# Altium PCB 001-H-01 CAN to Bluetooth.PcbDoc
Units mm, origin at the board's own origin, x right, y up, seen from the top; angles counter-clockwise.
Board outline 43 x 81 mm, 2 copper layers (Top Layer, Bottom Layer); 67 components, 54 nets, 257 pads, 202 vias.
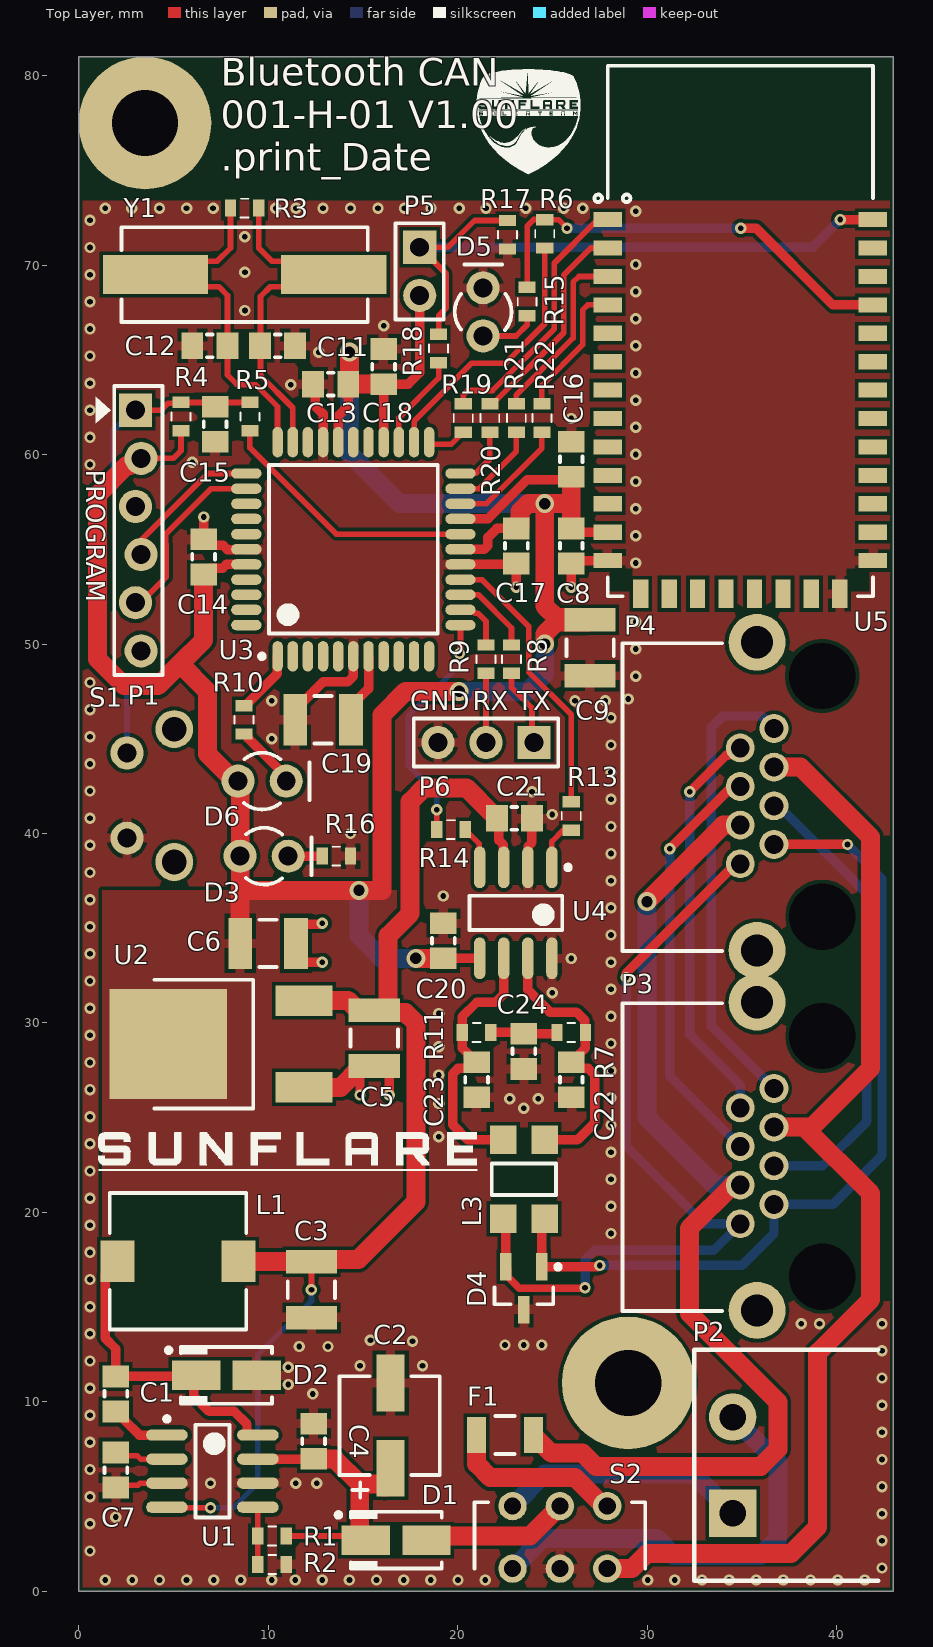
[diagram p0: Top Layer view]
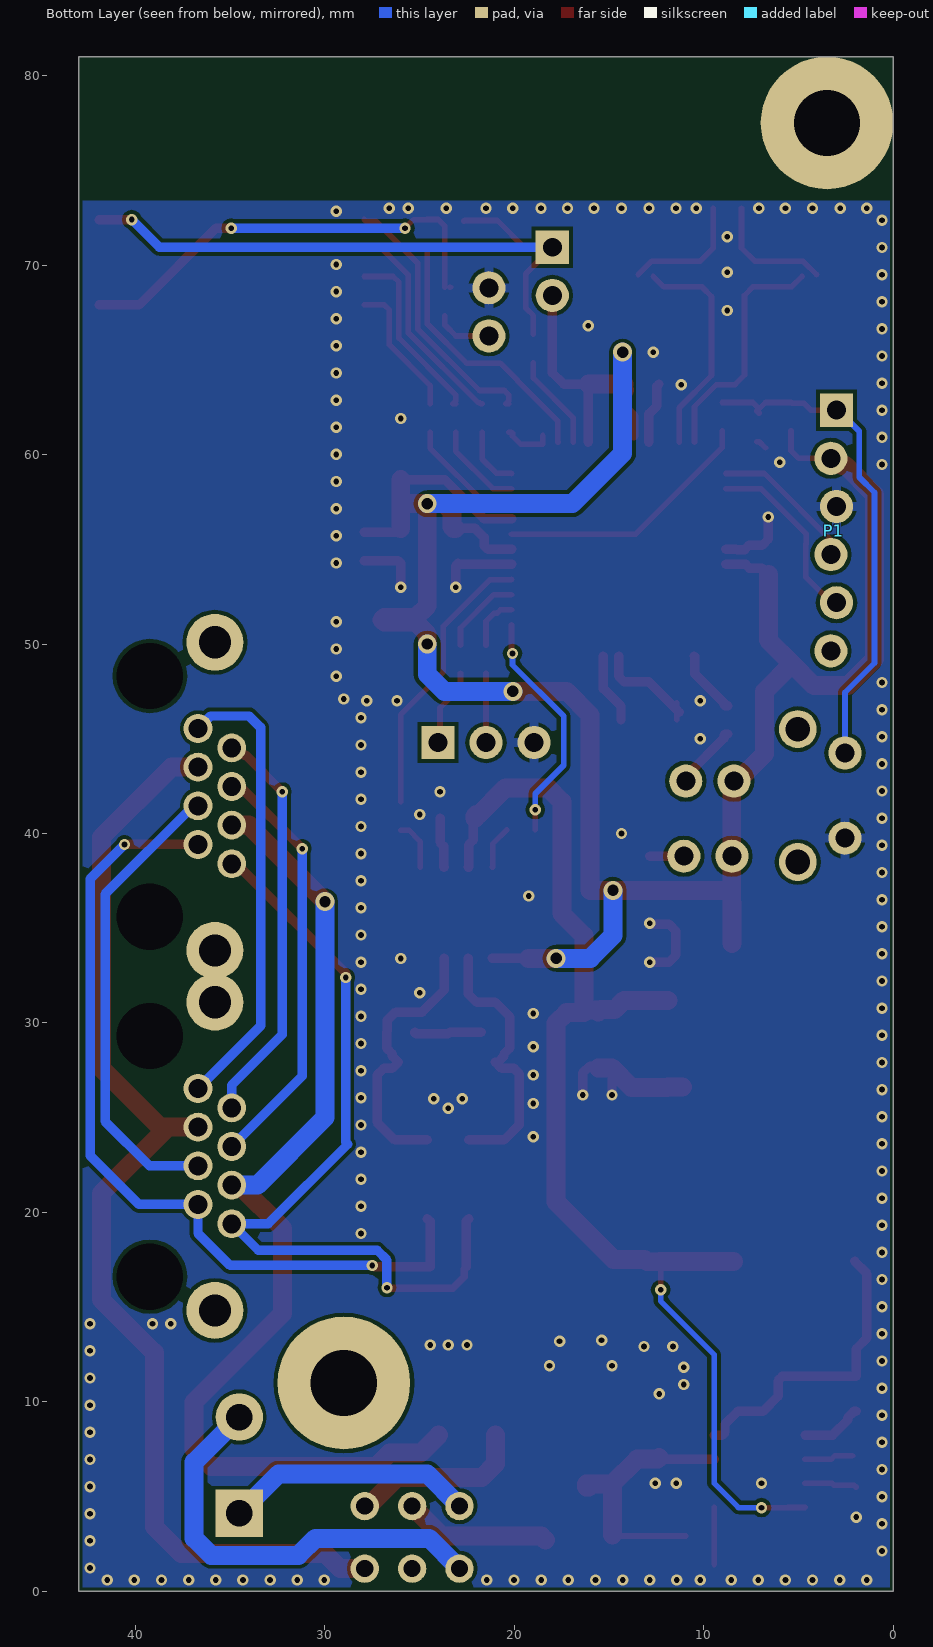
[diagram p1: Bottom Layer view, seen from below]
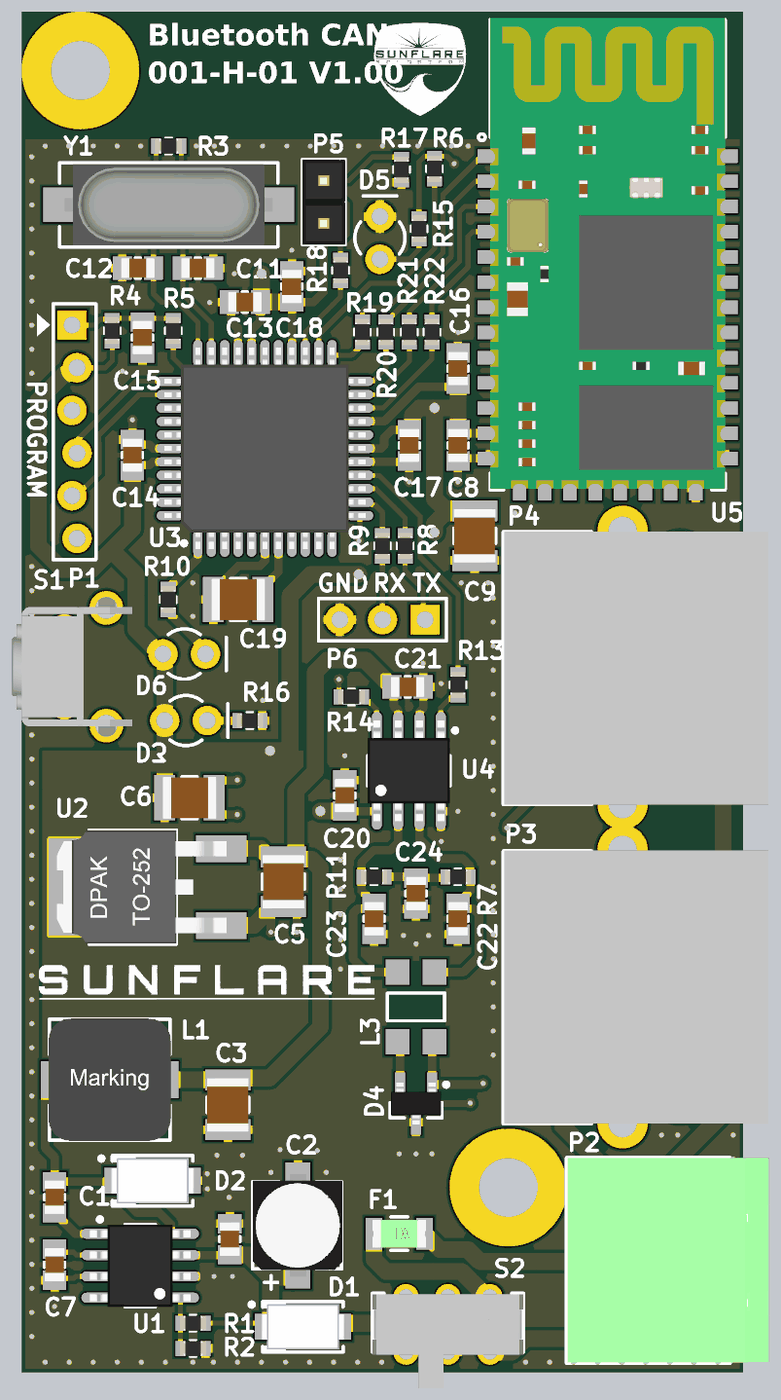
[diagram p2: 3D render of the assembled board from above, using the file's embedded part models]

## Layer stack, top to bottom
Top Solder: solder mask 0.0102, Solder Resist, Dk 3.5
Top Layer: signal copper 0.0356
Dielectric 1: dielectric 0.32, FR-4, Dk 4.8
Bottom Layer: signal copper 0.0356
Bottom Solder: solder mask 0.0102, Solder Resist, Dk 3.5

## Board outline
0,0 0,81 43,81 43,0

## Design rules (kind name [scope] priority, off if disabled: settings)
BoardOutlineClearance [All] p1: gap=0.2 ignorepadtopadclearanceinfootprint=FALSE except(0: Arc-SplitContinuation Track-SplitContinuation SMDPad-SplitContinuation THPad-SplitContinuation Via-SplitContinuation Fill-SplitContinuation Poly-SplitContinuation Region-SplitContinuation Text-SplitContinuation)
Clearance [All] p1: gap=0.2 ignorepadtopadclearanceinfootprint=FALSE except(0: Arc-Hole Track-Hole SMDPad-Hole THPad-Hole Via-Hole Fill-Hole Poly-Hole Region-Hole Text-Hole)
HoleSize [All] p1: absolutevalues=TRUE maxlimit=6 minlimit=0.3 maxpercent=80.000 minpercent=20.000
HoleToHoleClearance [All] p1: gap=0.3 allowstackedmicrovias=TRUE
MinimumSolderMaskSliver [All] p1: minsoldermaskwidth=0
PolygonConnect PolygonConnectHeatsink [HasFootprint('DPAK-3') vs InNet('3.3V')] p1: connectstyle=Direct reliefconductorwidth=0.254 reliefentries=4 polygonreliefangle="90 Angle" airgapwidth=0.254
PolygonConnect PolygonConnect_Via [IsVia] p2: connectstyle=Direct reliefconductorwidth=0.254 reliefentries=4 polygonreliefangle="90 Angle" airgapwidth=0.254
PolygonConnect [All] p3: connectstyle=Relief reliefconductorwidth=0.5 reliefentries=4 polygonreliefangle="90 Angle" airgapwidth=0.2
RoutingVias [All] p1: holewidth=1 width=1 viastyle="Through Hole" minholewidth=0 minwidth=0 maxholewidth=10 maxwidth=10
SilkToSilkClearance [All] p1: silktosilkclearance=0.2
SilkToSolderMaskClearance [IsPad] p1: minsilkscreentomaskgap=0.1 clearancetoexposedcopper=TRUE
SolderMaskExpansion [All] p1: expansion=0.102 istentingtop=FALSE
Width [All] p1: maxlimit=5 minlimit=0.1 preferedwidth=0.3 minimp=50.000000 maximp=50.000000 favimp=50.000000
25 further rules are at their usual default settings.

## Components (designator, comment, footprint, x,y, rotation, side; value= is the part's Value field where it differs from the comment)
C1 "100nF" CAP0805 1.96,10.42 r270 top
C2 "4.7uF" CAPPOL5MM 16.46,8.748 r90 top
C3 "10uF" CAP1210 12.285,15.92 r90 top
C4 "100nF" CAP0805 12.4,7.925 r270 top
C5 "10uF" CAP1210 15.6,29.2 r90 top
C6 "10uF" CAP1210 10,34.2 r180 top
C7 "100nF" CAP0805 1.96,6.4 r90 top
C8 "100nF" CAP0805 26,55.178 r90 top
C9 "10uF" CAP1210 26.995,49.8 r90 top
C11 "33pF" CAP0805 10.5,65.735 r180 top
C12 "33pF" CAP0805 6.925,65.735 r0 top
C13 "100nF" CAP0805 13.3,63.715 r0 top
C14 "100nF" CAP0805 6.6,54.6 r270 top
C15 "100nF" CAP0805 7.2,61.6 r270 top
C16 "100nF" CAP0805 26,59.755 r270 top
C17 "100nF" CAP0805 23.1,55.178 r90 top
C18 "100nF" CAP0805 16.1,64.64 r270 top
C19 "10uF" CAP1210 12.9,46 r0 top
C20 "100nF" CAP0805 19.25,34.335 r270 top
C21 "100nF" CAP0805 23,40.8 r180 top
C22 "47pF" CAP0805 26,27 r90 top
C23 "47pF" CAP0805 21,27 r270 top
C24 "100nF" CAP0805 23.5,28.5 r90 top
D1 "SMA2" DIODEDO-214AC 16.76,2.706 r0 top
D2 "HTA5U100" DIODEDO-214AC 7.8,11.4 r0 top
D3 "Green" LEDTHT 9.686,42.761 r0 top
D4 "PESD1CAN" SOT23-3N 23.5,16 r270 top
D5 "RED" LEDTHT 21.35,67.531 r90 top
D6 "Green" LEDTHT 9.79,38.8 r0 top
F1 "250mA PTC" "Fuse 1206" 22.5,8.25 r180 top
L1 "220uH" INDWE-PD 5.245,17.42 r0 top
L3 "51uH" IND200P450X300-4N 23.5,21.75 r270 top
P1 "Header 1X6" Header1X6P100_Program 3.15,55.99 r270 bottom
P2 "Header 2 way" "MSTBA 2,5/ 2-G-5,08" 34.52,4.12 r90 top
P3 "Header 1X8 G" TECO-1-406541-5 44.498,22.933 r90 top
P4 "Header 1X8 G" TECO-1-406541-5 44.498,41.933 r90 top
P5 "Header 1X2" Header1X2P100 18,70.94 r270 top
P6 "Header 1X3" Header1X3P100 24.04,44.8 r180 top
R1 "100K" RES0603 10.21,2.92 r180 top
R2 "39K" RES0603 10.21,1.42 r0 top
R3 "1M0" RES0603 8.762,73 r180 top
R4 "10K" RES0603 5.4,62 r90 top
R5 "470R" RES0603 9.035,62 r90 top
R6 "470R" RES0603 24.6,71.65 r270 top
R7 "15K" RES0603 26,29.5 r180 top
R8 "470R" RES0603 22.85,49.2 r270 top
R9 "470R" RES0603 21.5,49.2 r270 top
R10 "330R" RES0603 8.735,46 r270 top
R11 "15K" RES0603 21,29.5 r180 top
R13 "470R" RES0603 26,40.925 r270 top
R14 "470R" RES0603 19.65,40.2 r0 top
R15 "2K" RES0603 23.675,68.075 r270 top
R16 "330R" RES0603 13.6,38.8 r180 top
R17 "10K" RES0603 22.639,71.6 r90 top
R18 "470R" RES0603 19,65.6 r270 top
R19 "470R" RES0603 20.3,61.925 r90 top
R20 "470R" RES0603 21.7,61.925 r90 top
R21 "470R" RES0603 23.1,61.925 r90 top
R22 "470R" RES0603 24.45,61.925 r90 top
S1 "Switch" SWITCHTE1825027-2 3.8,42 r270 top
S2 "Switch" JS202011AQN 25.4,2.85 r0 top
U1 "MAX5035B" SOIC-8N 7.06,6.345 r0 top
U2 "NCP1117DT33G" DPAK-3 8.31,28.885 r0 top
U3 "DSPIC33EP128GS804" TQFP80P1200X1200X120-44N 14.5,55 r90 top locked
U4 "MCP2562" SOIC-8N 23.073,35.81 r270 top
U5 "HC-05" HC-05 34.92,62.525 r0 top locked
Y1 "16MHz" XT49M-2016M 8.762,69.5 r180 top

## Footprints (in the part's own frame and the unit in brackets; to place one, negate y for a bottom-side part, rotate by r counter-clockwise, add the part's x,y. Pads: shape width x height; smd on the part's side, far side on the other; paste and mask are expansions set on the pad)
CAP0805 [mm] "Chip Capacitor, 2-Leads, Body 2.0x1.3mm, IPC Medium Density"
  rect 1.15x1.4 smd: 1(-0.925,0) 2(0.925,0)
  silkscreen extent -0.15,-0.6 0.15,0.6, body extent -1.1,-0.67 1.1,0.67, height 0.95
CAP1210 [mm] "Chip Capacitor, 2-Leads, Body 3.2x2.5mm, IPC Medium Density"
  rect 1.25x2.7 smd: 1(-1.475,0) 2(1.475,0)
  silkscreen extent -0.45,-1.25 0.45,1.25, body extent -1.7,-1.35 1.7,1.35, height 1.3
CAPPOL5MM [mm] "Capacitor SMD, 2-Leads, Body 5x5_4mm, IPC Medium Densit"
  rect 3x1.5 smd: 1(-2.25,0) 2(2.25,0)
  silkscreen extent -3.8,-2.6 2.6,2.7, body extent -3.06,-2.66 3.04,2.68, height 5.52
DIODEDO-214AC [mm] "Molded Diode, 2-Leads, Body 4.4x2.7mm, IPC Medium Density"
  rect 2.55x1.55 smd: 1(-1.6,0) 2(1.6,0)
  silkscreen extent -3.17,-1.5 2.4,1.5, body extent -2.5,-1.48 2.5,1.48, height 2.4
DPAK-3 [mm]
  rect 3x1.6 smd: 1(3.59,-2.285) 3(3.59,2.285)
  rect 6.2x5.8 smd: 2(-3.59,0)
  silkscreen extent -4.3,-3.4 0.9,3.4, body extent -6.2,-3.37 3.9,3.37, height 2.37
"Fuse 1206" [mm] "Fuse 1206"
  rect 1x1.9 smd: 1(-1.5,0) 2(1.5,0)
  silkscreen extent -0.5,-1 0.5,1, body extent -1.6,-0.83 1.6,0.83, height 0.56
HC-05 [mm] "Bluetooth module HC-05"
  rect 1.5x0.8 smd: 1(-7,9.875) 2(-7,8.375) 3(-7,6.875) 4(-7,5.375) 5(-7,3.875) 6(-7,2.375) 7(-7,0.875) 8(-7,-0.625) 9(-7,-2.125) 10(-7,-3.625) 11(-7,-5.125) 12(-7,-6.625) 13(-7,-8.125) 22(7,-8.125) 23(7,-6.625) 24(7,-5.125) 25(7,-3.625) 26(7,-2.125) 27(7,-0.625) 28(7,0.875) 29(7,2.375) 30(7,3.875) 31(7,5.375) 32(7,6.875) 33(7,8.375) 34(7,9.875)
  rect 0.8x1.5 smd: 14(-5.25,-9.875) 15(-3.75,-9.875) 16(-2.25,-9.875) 17(-0.75,-9.875) 18(0.75,-9.875) 19(2.25,-9.875) 20(3.75,-9.875) 21(5.25,-9.875)
  silkscreen extent -7.7,-10 7,18, body extent -7.01,-9.93 7.01,18.08, height 2.35
Header1X2P100 [mm] "Header 1X2, 100mil pitch"
  rect 1.75x1.75 hole 1: 1(0,0)
  round 1.75 hole 1: 2(2.54,0)
  silkscreen extent -1.27,-1.27 3.82,1.27, body extent -1.26,-1.27 3.82,1.27, height 8.45
Header1X3P100 [mm] "Header 1X3, 100mil pitch"
  rect 1.75x1.75 hole 1: 1(0,0)
  round 1.75 hole 1: 2(2.54,0) 3(5.08,0)
  silkscreen extent -1.27,-1.27 6.35,1.27, body extent -1.27,-1.27 6.35,1.27, height 9
Header1X6P100_Program [mm] "Header 1X6, 100mil pitch"
  rect 1.75x1.75 hole 1: 1(-6.35,0.15)
  round 1.75 hole 1: 2(-3.81,-0.15) 3(-1.27,0.15) 4(1.27,-0.15) 5(3.81,0.15) 6(6.35,-0.15)
IND200P450X300-4N [mm] "IND, 4-Leads, Body 3.4x4.7mm (max), Pitch 2.00mm, IPC Medium Density"
  rect 1.5x1.4 smd: 1(-2.075,1.1) 2(2.075,1.1) 3(2.075,-1.1) 4(-2.075,-1.1)
  silkscreen extent -0.82,-1.7 0.82,1.7, body extent -2.35,-1.7 2.35,1.7, height 3
INDWE-PD [mm] "Inductor, 2-Leads, Body 7.3x7.3mm, IPC Medium Density"
  rect 1.8x2.2 smd: 1(-3.2,0) 2(3.2,0)
  silkscreen extent -3.6,-3.6 3.6,3.6, body extent -3.65,-3.65 3.65,3.65, height 4.5
JS202011AQN [mm]
  round 1.5 hole 0.9: 1(-2.5,1.65) 2(0,1.65) 3(2.5,1.65) 4(-2.5,-1.65) 5(0,-1.65) 6(2.5,-1.65)
  silkscreen extent -4.5,-1.65 4.5,1.85, body extent -4.5,-3.8 4.5,1.8, height 3.52
LEDTHT [mm] "LED through hole 3mm"
  round 1.75 hole 1: 1(1.27,0) 2(-1.27,0)
  silkscreen extent -0.96,-1.5 2.5,1.5
"MSTBA 2,5/ 2-G-5,08" [mm] "MSTBA 2,5/ 2-G-5,08 1757242"
  rect 2.5x2.5 hole 1.4: 1(0,0)
  round 2.5 hole 1.4: 2(5.08,0)
  silkscreen extent -3.56,-7.68 8.64,2.03, body extent -3.54,-10 8.62,2, height 8.6
RES0603 [mm] "Chip Resistor, 2-Leads"
  rect 0.6x0.9 smd: 1(-0.75,0) 2(0.75,0)
  silkscreen extent -0.2,-0.5 0.21,0.5, body extent -0.77,-0.43 0.78,0.43, height 0.45
SOIC-8N [mm] "SOIC, 8-Leads, Body 4.9x3.9mm (max), Pitch 1.27mm, IPC Medium Density"
  oval 2.2x0.6 smd: 1(-2.4,1.905) 2(-2.4,0.635) 3(-2.4,-0.635) 4(-2.4,-1.905) 5(2.4,-1.905) 6(2.4,-0.635) 7(2.4,0.635) 8(2.4,1.905)
  silkscreen extent -2.52,-2.45 0.9,2.88, body extent -3,-2.45 3,2.45, height 1.75
SOT23-3N [mm] "SOT23, 3-Leads, Body 3.1x3.0mm (max), Pitch 0.95mm, IPC Medium Density"
  rect 1.45x0.6 smd: 1(-1.125,0.95) 2(-1.125,-0.95) 3(1.125,0)
  silkscreen extent -1.25,-1.55 0.85,1.93, body extent -1.25,-1.55 1.25,1.55, height 1.45
SWITCHTE1825027-2 [mm] "SWITCH, 2-Leads, Body 7.0x7.0mm (max), Pitch 4.5mm, IPC Medium Density"
  round 1.75 hole 1: 1(-2.25,-1.245) 2(2.25,-1.245)
  round 2 hole 1.3: ""(-3.505,1.245) ""(3.505,1.245)
  body extent -4.2,-4.36 4.2,2.79, height 7
TECO-1-406541-5 [mil] "MODULAR, JACK, THT, R/A, RJ45, 8P8C"
  round 60 hole 137.8 unplated: 0(-248.94,207) 0(251.06,207)
  round 60 hole 39.37: 1(142,307) 2(101.85,377.08) 3(61.69,307) 4(21.53,377.08) 5(-18.63,307) 6(-58.78,377.08) 7(-98.94,307) 8(-139.1,377.08)
  round 118.11 hole 66.93: 9(-319.02,342.04) 9(321.14,342.04)
  silkscreen extent -321,415 319,622, body extent -320,0 320,620, height 528
TQFP80P1200X1200X120-44N [mm] "TQFP, 44-Leads, Body 12.0x12.0mm (max), Pitch 0.80mm, IPC Medium Density"
  oval 1.6x0.55 smd: 1(-5.65,4) 2(-5.65,3.2) 3(-5.65,2.4) 4(-5.65,1.6) 5(-5.65,0.8) 6(-5.65,0) 7(-5.65,-0.8) 8(-5.65,-1.6) 9(-5.65,-2.4) 10(-5.65,-3.2) 11(-5.65,-4) 23(5.65,-4) 24(5.65,-3.2) 25(5.65,-2.4) 26(5.65,-1.6) 27(5.65,-0.8) 28(5.65,0) 29(5.65,0.8) 30(5.65,1.6) 31(5.65,2.4) 32(5.65,3.2) 33(5.65,4)
  oval 0.55x1.6 smd: 12(-4,-5.65) 13(-3.2,-5.65) 14(-2.4,-5.65) 15(-1.6,-5.65) 16(-0.8,-5.65) 17(0,-5.65) 18(0.8,-5.65) 19(1.6,-5.65) 20(2.4,-5.65) 21(3.2,-5.65) 22(4,-5.65) 34(4,5.65) 35(3.2,5.65) 36(2.4,5.65) 37(1.6,5.65) 38(0.8,5.65) 39(0,5.65) 40(-0.8,5.65) 41(-1.6,5.65) 42(-2.4,5.65) 43(-3.2,5.65) 44(-4,5.65)
  silkscreen extent -5.77,-4.45 4.45,4.95, body extent -10.67,-6 6,6, height 17.5
XT49M-2016M [mm] "Crystal, 2-Leads, Body 11.0x4.7mm, IPC Medium Density"
  rect 5.55x2.05 smd: 1(-4.7,0) 2(4.7,0)
  silkscreen extent -6.5,-2.5 6.5,2.5, body extent -6.2,-2.5 6.2,2.5, height 4.5

## Part data
C1 C4 C7 C8 C13 C14 C15 C16 C17 C18 C20 C21 C24: library part Capacitor, "Capacitor", Dielectric=X7R, Manufacturer=-, VoltageRating=100V, Farnell Ordercode=-, Manufacturer Part No=-, Price=0.00
C2: library part CapacitorPol, "Capacitor Pol", Dielectric=ELCO, Manufacturer="WURTH ELEKTRONIK", Manufacturer Part No=865060742001, VoltageRating=63V, Farnell Ordercode=2837323, Price=0.33
C3 C6: library part Capacitor, "Capacitor", Dielectric=X7R, Manufacturer=TDK, Manufacturer Part No=C3225X7R1C106K200AB, VoltageRating=16V, Farnell Ordercode=2112722, Price=1.35
C5 C9 C19: library part Capacitor, "Capacitor", Dielectric=X5R, Manufacturer=Multicomp, Manufacturer Part No=MC1210X106K160CT, VoltageRating=16V, Farnell Ordercode=1759465, Price=0.50
C11 C12: library part Capacitor, "Capacitor", Dielectric=C0G, Manufacturer=-, VoltageRating=100V, Farnell Ordercode=-, Manufacturer Part No=-, Price=0.00
C22 C23: library part Capacitor, "Capacitor", Dielectric=C0G, Manufacturer=-, VoltageRating=50V, Farnell Ordercode=-, Manufacturer Part No=-, Price=0.00
D1: library part Diode, "Diode", Manufacturer=Multicomp, Manufacturer Part No=S2MA, Farnell Ordercode=2675071, Price=0.13
D2: library part "Diode Schottky", "Diode Schottky", Manufacturer=Multicomp, Farnell Ordercode=2750942, Manufacturer Part No=HTA5U100, Price=0.46
D3 D6: library part Led, "Led", Manufacturer=Multicomp, Manufacturer Part No=MCL034GT, Farnell Ordercode=1581123, Price=0.08
D4: "ESD Protection Device, TVS, 70 V, SOT-23, 3 Pins", Manufacturer=NXP, Farnell Ordercode=1510703, Manufacturer Part No=PESD1CAN, Price=0.13
D5: library part Led, "Led", Manufacturer=Multicomp, Manufacturer Part No=MCL034PT, Farnell Ordercode=1581121, Price=0.06
F1: library part Fuse, "Fuse", Manufacturer="EATON BUSSMANN SERIES", Manufacturer Part No=PTS120660V010, Farnell Ordercode=2929345, Price=0.26
L1: library part Inductor, "Inductor", Manufacturer=WE, Manufacturer Part No=744777222, Farnell Ordercode=2761710, Price=0.971
L3: library part "Choke Common Mode", "Choke common mode", Manufacturer=Bourns, Manufacturer Part No=SRF4532-510Y, Farnell Ordercode=2859108, Price=0.47
P1: library part Header1X6, "Connector 1X6", Manufacturer=-, Farnell Ordercode=-, Manufacturer Part No=-, Price=0.00
P2: library part Header1X2, Manufacturer="IMO PRECISION CONTROLS", Manufacturer Part No=21.95MH/2-E, Farnell Ordercode=2517885, Price=0.15
P3 P4: library part Header1X8+G, "Connector 1X8 with Ground", Manufacturer=-, Farnell Ordercode=-, Manufacturer Part No=-, Price=0.00
P5: library part Header1X2, "Connector 1X2", Manufacturer=-, Farnell Ordercode=-, Manufacturer Part No=-, Price=0.00
P6: library part Header1X3, "Connector 1X3", Manufacturer=-, Farnell Ordercode=-, Manufacturer Part No=-, Price=0.00
R1 R2 R3 R4 R5 R6 R7 R8 R9 R10 R11 R13 R14 R15 R16 R17 R18 R19 R20 R21 R22: library part Resistor, "Resistor", Manufacturer=-, Tolerance=1%, Farnell Ordercode=-, Manufacturer Part No=-, Price=0.00
S1: library part TactileSwitch, "Tactile Switch", Manufacturer="TE CONNECTIVITY", Manufacturer Part No=FSMRA4JH, Farnell Ordercode=1555988, Price=0.15
S2: library part DPDTSwitch, "Tactile Switch", Manufacturer="C&K COMPONENTS", Manufacturer Part No=JS202011AQN, Farnell Ordercode=2435145, Price=0.31
U1: "5V 1A, 76V, High-Efficiency MAXPower Step-Down DC-DC Converter", Manufacturer="Maxim Integrated Products", Manufacturer Part No=MAX5035BUSA+T, Farnell Ordercode=2799102, Price=3.26
U2: "Fixed LDO Voltage Regulator, 20V in, 1.07V Dropout, 3.3V/1A out, DPAK-3", Manufacturer="ON SEMICONDUCTOR", Farnell Ordercode=1652364, Manufacturer Part No=NCP1117DT33G, Price=0.37
U3: "16-Bit Digital Signal Controllers fo  r Digital Power Applications with   Interconnected High-Speed PWM, ADC, PGA and Comparators", Manufacturer=Microchip, Manufacturer Part No=DSPIC33EP128GS804-I/PT, Farnell Ordercode=2706170, Price=4.44
U4: "CAN Bus, Transceiver, CAN, LIN, 1, 1, 4.5 V, 5.5 V, SOIC", Manufacturer=Microchip, Manufacturer Part No=MCP2562-E/SN, Farnell Ordercode=2362839, Price=0.79
U5: "Bluetooth Module", Manufacturer=N/A, Farnell Ordercode=N/A, Manufacturer Part No=HC-05, Price=4.00, TME Ordercode=HC-05
Y1: library part Crystal, "Crystal", Manufacturer=Multicomp, Manufacturer Part No=MCRSD16000F183000RR, Farnell Ordercode=2395958, Price=0.19

## Free pads (board coordinates)
  round 7 hole 3.5: ""(3.5,77.5) ""(29,11)

## Via types
v1: diameter 0.6, hole 0.3, Top Layer to Bottom Layer, tented both sides, 195 vias
v2: diameter 1, hole 0.6, Top Layer to Bottom Layer, tented both sides, 7 vias

## Nets (pads, with @x,y where several pads share a name; then routed paths per layer and width w, separated by ;. In a path a pad name is that pad's centre, name@x,y a point inside that pad or via, vN(x,y) a via of type N, cw(c..) or ccw(c..) an arc to the next point about the centre after c; other vN are vias at no path point)
3.3V: C6.2 C8.2 C9.2 C13.2 C14.2 C16.2 C17.2 C18.2 C20.2 D3.2 D6.2 P1.2 P5.2 R4.1 U2.2 U3.17 U3.19 U3.26 U3.29 U3.40 U4.5 U5.12 | length 147.1
  Top Layer w0.3: P1.2 5,59.8 5.4,60.2 R4.1 ; C14.2 C14.2@6.925,54 ; C18.2@16.1,63.375 C18.2@16.175,63.45
  Top Layer w0.5: C14.2@6.925,54 7.6,54 7.8,54.2 U3.40 ; U3.29@13.7,60.99 13.71,61 13.71,62.05 14.225,62.565 14.225,63.375 14.225,63.425 C13.2 ; U3.26 16.1,63.375 C18.2 17.4,63.715 18,64.315 P5.2 ; C20.2 U4.5 ; U3.17 21.417,55 21.6,55.183 21.6,55.628 22.075,56.103 C17.2 ; U3.19 20.16,56.61 21.61,56.61 23.675,58.675 C16.2@26,58.675 ; C8.2 26.203,55.9 U5.12
  Top Layer w1: P1.2 3.097,59.8 2.722,59.425 2.54,59.425 1,57.885 1,49.2 2.4,47.8 4.2,47.8 5.35,48.95 ; C14.2 6.6,50.2 5.35,48.95 ; C13.2@14.225,63.375 14.2,63.4 14.225,63.425 14.291,63.491 C13.2@14.291,63.715 ; C13.2 C13.2@14.291,63.715 ; v2(14.291,65.4) C13.2@14.291,63.715 ; C18.2 C13.2@14.291,63.715 ; v2(17.8,33.41) C20.2 ; v2(20.083,47.5) 17.25,47.5 16,46.25 16,37 v2(14.8,37) 8.53,37 ; C17.2 23.225,56.103 23.3,56.178 23.3,57 23.71,57.41 v2(24.6,57.41) ; v2(24.6,50) 24.6,50.539 25.211,51.15 26.87,51.15 C9.2 26.87,51.4 25.2,51.4 24.6,52 v2(24.6,57.41) ; C8.2 26,57.41 ; C16.2@26,58.675 26,57.41 ; 5.35,48.95 6.81,47.49 6.81,44.19 8,43 8.53,43 8.53,37 ; 8.53,36.35 8.53,37 ; 8.53,36.35 8.525,36.345 C6.2 8.53,34.205 8.53,36.35 ; v2(24.6,57.41) 26,57.41
  Bottom Layer w1: v2(14.291,65.4) 14.291,60.066 16.948,57.41 v2(24.6,57.41) ; v2(14.8,37) 14.8,34.605 15.995,33.41 v2(17.8,33.41) ; v2(20.083,47.5) 23.7,47.5 24.6,48.4 v2(24.6,50)
5V: C3.2 C5.2 C21.2 L1.2 U1.4 U2.3 U4.3 | length 64.8
  Top Layer w0.3: U1.4 4.679,4.421 U1.4@5.55,4.421 ; U1.4@5.551,4.42 v1(6.96,4.42) ; C3.2@11.855,17.435 11.87,17.42 C3.2@11.905,17.385 ; v1(12.285,15.92) 12.285,17.37 12.31,17.395 C3.2@12.335,17.42
  Top Layer w0.5: C21.2 22.182,40.693 22.182,39.643 22.418,39.407 22.418,38.229 U4.3
  Top Layer w1: L1.2 11.87,17.42 12.335,17.42 C3.2@12.36,17.395 ; U2.3@11.9,31.185 14.225,31.185 14.71,30.7 15.45,30.7 C5.2@15.575,30.575 ; C3.2 12.31,17.395 C3.2@12.36,17.395 ; C5.2 C5.2@16.211,30.675 ; C21.2 22.075,40.925 22,41 21.875,41 20.475,42.4 18.215,42.4 17.5,41.685 17.5,35.775 16.336,34.611 16.336,30.8 C5.2@16.211,30.675 ; C3.2@12.36,17.395 13.01,17.395 13.135,17.52 14.77,17.52 17.8,20.55 17.8,30 17.25,30.55 16.336,30.55 C5.2@16.211,30.675
  Bottom Layer w0.3: v1(6.96,4.42) 8.17,4.42 9.46,5.71 9.46,12.495 12.285,15.32 v1(12.285,15.92)
CAN_H: D4.1 L3.2 P3.7 P4.7 | length 44.9
  Top Layer w0.5: L3.2 24.45,19.525 D4.1 27.398,17.125 27.473,17.2 v1(27.5,17.2) ; P4.7 v1(40.58,39.42)
  Bottom Layer w0.5: v1(27.5,17.2) 35.01,17.2 36.7,18.89 P3.7 39.82,20.42 42.4,23 42.4,37.6 v1(40.58,39.42)
CAN_L: D4.2 L3.3 P3.8 P4.8 | length 43.3
  Top Layer w0.3: L3.3@22.375,19.65 L3.3
  Top Layer w0.4: D4.2 22.65,17.025 22.65,16.6 23.25,16 26.699,16 v1(26.726,16.027)
  Top Layer w0.5: L3.3 22.55,19.525 D4.2 ; v1(28.9,32.4) 28.9,32.627 34.477,38.204 34.724,38.204 P4.8
  Bottom Layer w0.5: v1(26.726,16.027) 26.726,17.487 27.239,18 33.52,18 P3.8 33,19.4 28.8,23.6 28.9,23.7 v1(28.9,32.4)
CAN_RX: R14.1 U3.12 | length 12.6
  Top Layer w0.3: R14.1 v1(18.9,41.25) ; v1(20.1,49.5) 20.1,49.527 20.15,49.577 U3.12
  Bottom Layer w0.3: v1(18.9,41.25) 18.9,42.1 17.4,43.6 17.4,46.2 20.1,48.9 v1(20.1,49.5)
CAN_TX: R13.1 U3.15 | length 14.8
  Top Layer w0.3: U3.15 20.16,53.39 21.297,53.39 23.752,50.936 23.752,50.893 23.75,50.891 23.75,48.531 26,46.281 R13.1
CTS: R21.1 U3.21 | length 4.8
  Top Layer w0.3: U3.21 21.135,58.2 23.1,60.165 R21.1
DEBUG_RX: R9.1 U3.13 | length 2.8
  Top Layer w0.3: U3.13 20.743,51.8 20.918,51.625 21.075,51.625 21.5,51.2 R9.1
DEBUG_TX: R8.1 U3.14 | length 4.3
  Top Layer w0.3: U3.14 21.098,52.6 22.85,50.848 R8.1
GND: C2.2 C3.1 C4.1 C5.1 C6.1 C7.1 C8.1 C9.1 C11.1 C12.1 C13.1 C14.1 C15.2 C16.1 C17.1 C18.1 C19.1 C20.1 C21.1 C22.1 C23.2 C24.1 D2.2 D4.3 D5.1 P1.3 P6.3 R2.2 R16.1 R17.1 S1.2 S2.5 U1.3 U1.6 U2.1 U3.6 U3.16 U3.30 U3.39 U4.2 U4.8 U5.13 U5.21 U5.22 | length 40.1
  Top Layer w0.3: C7.1@1.96,5.495 2.057,5.592 3.117,5.592 3.235,5.71 U1.3 ; C15.2@6.75,60.35 7.075,60.675 C15.2 ; C19.1 11.425,46.525 C19.1@11.425,46.9 ; C5.1@15.575,27.625 C5.1@15.775,27.425 ; C17.1@22.975,54.253 C17.1
  Top Layer w0.5: v1(6.6,56.7) C14.1 6.913,55.212 7.623,55.212 7.855,54.98 8.269,54.98 8.28,54.99 8.84,54.99 U3.39 ; C19.1@11.3,46.4 11.425,46.525 12.9,48 14.2,48 14.5,48.3 U3.6 ; C13.1 12.482,63.608 12.482,62.558 12.9,62.14 U3.30 ; v1(12.85,33.2) 11.85,33.2 11.475,33.575 C6.1 11.475,34.843 11.85,35.218 12.781,35.218 12.823,35.26 v1(12.85,35.26) ; v1(14.85,26.2) 14.85,27.35 15.125,27.625 15.225,27.725 C5.1 16.025,27.725 16.4,27.35 v1(16.4,26.2) ; U3.16 22.922,54.2 22.975,54.253 23.1,54.128 v1(23.1,53) ; U4.2 23.727,38.229 23.727,39.327 23.925,39.525 C21.1 ; v1(26,53) C8.1 26.147,54.4 U5.13
  Top Layer w1: U2.1@11.14,26.615 11.9,26.615 11.915,26.6 13.825,26.6 14.85,27.625 15.125,27.625 C5.1@15.575,27.625
  other v1: 1.4,0.6 2.832,0.6 4.265,0.6 5.697,0.6 7.129,0.6 8.562,0.6 10.2,0.6 11.426,0.6 12.859,0.6 14.291,0.6 15.723,0.6 17.156,0.6 18.588,0.6 20.02,0.6 21.453,0.6 30.032,0.6 31.465,0.6 32.897,0.6 34.329,0.6 35.762,0.6 37.194,0.6 38.626,0.6 40.059,0.6 41.491,0.6 42.4,1.232 0.6,2.133 42.4,2.665 0.6,3.565 1.96,3.92 42.4,4.097 0.6,4.997 42.4,5.529 6.96,5.71 11.46,5.71 12.56,5.71 0.6,6.43 42.4,6.962 0.6,7.862 42.4,8.394 0.6,9.295 42.4,9.826 12.36,10.42 0.6,10.727 11.06,10.92 42.4,11.259 11.06,11.82 14.85,11.9 18.15,11.9 0.6,12.159 42.4,12.691 11.635,12.92 13.16,12.92 22.5,13 23.5,13 24.45,13 17.617,13.2 15.4,13.252 0.6,13.592 38.132,14.123 39.1,14.123 42.4,14.123 0.6,15.024 0.6,16.456 0.6,17.889 28.1,18.886 0.6,19.321 28.1,20.318 0.6,20.753 28.1,21.75 0.6,22.186 28.1,23.183 0.6,23.618 19,24 28.1,24.615 0.6,25.05 23.5,25.5 19,25.75 22.75,26 24.25,26 28.1,26.047 0.6,26.483 19,27.25 28.1,27.48 0.6,27.915 19,28.75 28.1,28.912 0.6,29.347 28.1,30.344 19,30.5 0.6,30.78 25,31.6 28.1,31.777 0.6,32.212 28.1,33.209 26,33.4 0.6,33.644 28.1,34.641 0.6,35.077 28.1,36.074 0.6,36.509 19.25,36.7 28.1,37.506 0.6,37.941 28.1,38.938 0.6,39.374 14.35,40 28.1,40.371 0.6,40.806 25,41 28.1,41.803 23.925,42.2 0.6,42.238 28.1,43.235 0.6,43.671 28.1,44.668 10.2,45 0.6,45.103 28.1,46.1 0.6,46.535 10.2,47 26.2,47 27.8,47 29,47.1 0.6,47.968 29.4,48.303 29.4,49.735 29.4,51.168 29.4,54.277 29.4,55.709 29.4,57.141 29.4,58.574 0.6,59.471 6,59.6 29.4,60.006 0.6,60.903 29.4,61.438 26,61.9 0.6,62.335 29.4,62.871 11.2,63.69 0.6,63.768 29.4,64.303 0.6,65.2 12.672,65.4 29.4,65.735 0.6,66.63 16.1,66.8 29.4,67.168 8.775,67.6 0.6,68.062 29.4,68.6 0.6,69.495 8.775,69.629 29.4,70.032 0.6,70.927 8.773,71.5 0.6,72.359 29.4,72.832 1.4,73 2.8,73 4.265,73 5.697,73 7.096,73 10.4,73 11.475,73 12.9,73 14.35,73 15.8,73 17.2,73 18.6,73 20.083,73 21.5,73 23.6,73 25.6,73 26.6,73
GNDCAN: P3.3 P4.3 S2.6 | length 60.6
  Top Layer w1: S2.6@28.25,1.2 29.2,1.2 30,2 37.6,2 39,3.4 39,12.6 41.8,15.4 41.8,21 38.3,24.5 ; P3.3 38.3,24.5 ; P4.3 38.1,43.5 41.8,39.8 41.8,27.6 38.7,24.5 38.3,24.5
GNDCONN: P2.2 S2.4 | length 23.2
  Top Layer w1: P2.2@34.36,9.04 P2.2 P2.2@34.52,9.069
  Bottom Layer w1: S2.4 24.5,2.8 30.5,2.8 31.4,1.9 36,1.9 36.9,2.8 36.9,6.82 P2.2
KEY: R18.2 U3.25 | length 5.1
  Top Layer w0.3: U3.25 16.9,61.94 19,64.04 R18.2
LED: R10.1 U3.1 | length 3.4
  Top Layer w0.5: R10.1 8.885,46.75 8.935,46.8 8.935,46.885 10.49,48.44 10.49,49.34 U3.1
M\C\L\R\: R5.1 U3.18 | length 13.9
  Top Layer w0.3: R5.1 9.035,60.365 10.1,59.3 ; 10.1,59.3 13.6,55.8 U3.18
NetC1_1: C1.1 D2.1 L1.1 U1.8 | length 16.1
  Top Layer w0.5: L1.1 1.4,16.775 1.4,13.365 1.96,12.805 C1.1 5.86,11.345 6.084,11.121 6.084,10.296 6.885,9.495 8.215,9.495 8.886,8.824 8.886,8.389 9.024,8.25 U1.8
NetC1_2: C1.2 U1.1 | length 3.3
  Top Layer w0.3: C1.2@2.41,9.045 C1.2@2.41,9.17
  Top Layer w0.5: C1.2 2.085,9.495 C1.2@2.41,9.17 ; C1.2@2.41,9.045 3.205,8.25 U1.1
NetC2_1: C2.1 C4.2 D1.1 R1.1 U1.7 | length 14.1
  Top Layer w0.3: R1.1 14.774,2.92 D1.1@14.835,2.981
  Top Layer w0.5: U1.7 12.285,6.98 C4.2@12.36,7.055
  Top Layer w1: C4.2@12.36,7.055 12.435,6.98 13.525,6.98 14.835,5.67 ; D1.1@14.835,2.981 14.835,5.67 ; C2.1@16.06,5.498 C2.1@16.21,5.498 ; C2.1@16.21,5.67 14.835,5.67
NetC7_2: C7.2 U1.2 | length 2.6
  Top Layer w0.3: C7.2@2.155,7.15 3.1,7.15 3.27,6.98 U1.2
NetC11_2: C11.2 R3.1 U3.32 Y1.1 | length 18.5
  Top Layer w0.3: R3.1 9.512,70.885 10.197,70.199 12.762,70.199 Y1.1 ; U3.32 11.3,62.468 9.6,64.168 9.6,68.341 10.111,68.852 12.124,68.852 Y1.1@12.672,69.4
NetC12_2: C12.2 R3.2 U3.33 Y1.2 | length 19.5
  Top Layer w0.3: Y1.2 4.761,70.199 7.311,70.199 8.012,70.9 R3.2 ; Y1.2@4.822,69.4 5.37,68.852 7.403,68.852 7.855,68.4 7.855,64.196 8.362,63.69 9.34,63.69 10.5,62.53 U3.33
NetC15_1: C15.1 P1.1 R4.2 R5.2 S1.1 | length 26.4
  Top Layer w0.3: P1.1 4.34,62.34 4.7,62.7 5.35,62.7 R4.2 6.75,62.75 7.2,62.3 C15.1@7.096,62.196 ; C15.1 7.425,62.75 R5.2
  Bottom Layer w0.3: S1.1@2.305,44.25 S1.1@2.45,44.395 ; S1.1 2.555,47.445 1,49 1,58 1.8,58.8 1.8,61.225 P1.1@2.915,62.34
NetC19_2: C19.2 U3.7 | length 3.7
  Top Layer w0.5: C19.2 14.375,46.725 15.3,47.65 U3.7
NetC22_2: C22.2 L3.1 R7.1 U4.7 | length 14.8
  Top Layer w0.5: U4.7 23.708,31.742 24.875,30.575 26.275,30.575 26.7,30.15 26.7,29.55 R7.1 26.75,28.675 26.45,28.375 26.45,28.25 26.125,27.925 26.45,27.6 26.9,27.6 27.25,27.25 27.25,24.75 26.325,23.825 L3.1
NetC23_1: C23.1 L3.4 R11.2 U4.6 | length 14.5
  Top Layer w0.5: L3.4 20.54,23.825 19.75,24.615 19.75,27.33 20.02,27.6 20.675,27.6 C23.1 20.875,27.925 20.55,28.25 20.55,28.375 20.25,28.675 R11.2 20.25,30.332 21.008,31.09 22,31.09 22.438,31.528 U4.6
NetC24_2: C24.2 R7.2 R11.1 | length 3.6
  Top Layer w0.5: R11.1 23.425,29.5 C24.2 25.2,29.425 25.25,29.475 R7.2
NetD3_1: D3.1 R10.2 | length 3.7
  Top Layer w0.3: D3.1@10.717,43 10.893,42.823 D3.1
  Top Layer w0.5: R10.2 8.885,45.25 8.935,45.2 8.935,45.035 10.843,43.127 D3.1@10.97,43 ; D3.1@11.07,43 D3.1@11.17,43
NetD5_2: D5.2 R15.2 | length 3
  Top Layer w0.3: D5.2 23.086,66.261 23.675,66.85 R15.2
NetD6_1: D6.1 R16.2 | length 1.8
  Top Layer w0.5: D6.1 R16.2
NetF1_2: F1.2 S2.3 | length 9.3
  Top Layer w1: F1.2 21,6.725 21.725,6 26.203,6 27.453,4.75 27.515,4.75 27.765,4.5 S2.3
NetP3_1: P3.1 P4.1 | length 24.2
  Bottom Layer w0.5: P3.1 33.4,29.84 33.4,45.6 34,46.2 36.04,46.2 P4.1
NetP3_2: P3.2 P4.2 | length 21.4
  Top Layer w0.5: v1(32.25,42.2) 34.176,44.126 34.249,44.126 34.643,44.52 P4.2
  Bottom Layer w0.5: v1(32.25,42.2) 32.25,29.39 34.92,26.72 P3.2
NetP3_4: P3.4 P4.4 | length 22.3
  Top Layer w0.5: v1(31.2,39.2) 34.48,42.48 P4.4
  Bottom Layer w0.5: v1(31.2,39.2) 31.2,27.2 P3.4
NetP3_5: P3.5 P4.5 | length 24.7
  Bottom Layer w0.5: P3.5 39.26,22.46 41.6,24.8 41.6,36.8 36.94,41.46 P4.5
NetP5_1: P5.1 R17.2 R18.1 U5.34 | length 35.1
  Top Layer w0.3: R18.1 19,67.331 19.4,67.731 19.4,69.54 P5.1 19.49,70.94 20.9,72.35 R17.2 R17.2@22.664,72.325
  Top Layer w0.5: v1(40.2,72.4) U5.34
  Bottom Layer w0.5: P5.1 38.74,70.94 v1(40.2,72.4)
NetP6_1: P6.1 R8.2 | length 4.1
  Top Layer w0.3: R8.2 22.85,47.7 23.925,46.625 23.925,44.915 P6.1
NetP6_2: P6.2 R9.2 | length 3.6
  Top Layer w0.3: P6.2 R9.2
NetR1_2: R1.2 R2.1 U1.5 | length 3
  Top Layer w0.3: R2.1 R1.2 U1.5
NetR6_1: R6.1 R15.1 U5.31 | length 23.5
  Top Layer w0.3: R15.1@23.376,68.825 R15.1@23.4,68.825 ; R15.1 23.675,72.058 24.017,72.4 R6.1 24.601,72.399 25.324,72.399 v1(25.773,71.95)
  Top Layer w0.5: v1(34.95,71.95) 35.75,71.95 39.8,67.9 U5.31
  Bottom Layer w0.5: v1(25.773,71.95) v1(34.95,71.95)
NetR13_2: R13.2 U4.1 | length 2.6
  Top Layer w0.3: U4.1 24.978,39.58 25.573,40.175 R13.2
NetR14_2: R14.2 U4.4 | length 2.3
  Top Layer w0.3: R14.2 21.15,39.45 21.15,38.228 U4.4
NetR19_2: R19.2 U5.1 | length 14.2
  Top Layer w0.3: R19.2 20.45,62.675 20.3,62.825 20.3,63.15 20.525,63.375 21.843,63.375 25.1,66.632 25.1,70.1 27.308,72.308 27.828,72.308 U5.1
NetR20_2: R20.2 U5.2 | length 11.4
  Top Layer w0.3: R20.2 21.78,62.675 21.83,62.725 21.9,62.725 25.6,66.425 25.6,69.473 27.027,70.9 U5.2
NetR21_2: R21.2 U5.3 | length 9.8
  Top Layer w0.3: R21.2 23.25,62.675 23.175,62.75 23.1,62.825 23.1,63.145 26.1,66.145 26.1,69.1 26.4,69.4 U5.3
NetR22_2: R22.2 U5.4 | length 7.3
  Top Layer w0.3: R22.2 24.45,63.64 26.6,65.79 26.6,67.63 26.87,67.9 U5.4
PGEC: P1.5 U3.35 | length 9.7
  Top Layer w0.3: P1.5 3.272,52.18 4.625,53.533 4.625,55.269 4.6,55.294 4.6,55.8 7,58.2 U3.35
PGED: P1.4 U3.34 | length 8.6
  Top Layer w0.3: P1.4@2.915,54.72 P1.4@2.915,55.058 ; P1.4 3.3,55.178 2.988,55.178 6.81,59 U3.34
RTS: R22.1 U3.20 | length 6.4
  Top Layer w0.3: U3.20 20.16,57.41 21.525,57.41 24.45,60.335 R22.1
RX: R20.1 U3.22 | length 3.3
  Top Layer w0.3: U3.22 20.16,59.01 20.955,59.01 21.7,59.755 R20.1
STATE: R6.2 U3.24 | length 14.1
  Top Layer w0.3: U3.24 17.71,60.66 17.71,61.771 19.825,63.886 19.825,63.9 20.75,64.825 22.525,64.825 24.6,66.9 R6.2
TX: R19.1 U3.23 | length 2.6
  Top Layer w0.3: U3.23@18.509,61.009 18.509,60.659 U3.23 18.5,60.548 19.673,60.548 20.1,60.975 20.1,61.125 20.15,61.175 R19.1
VCAN: F1.1 P3.6 P4.6 | length 55.6
  Top Layer w1: F1.1 24.95,7.3 26.6,7.3 27.3,6.6 36,6.6 36.9,7.5 36.9,10 32.232,14.668 32.232,19.153 34.52,21.44 P3.6 ; v2(30,36.4) 30,36.42 34.02,40.44 P4.6
  Bottom Layer w1: v2(30,36.4) 30,25 33.56,21.44 P3.6
VCONN: P2.1 S2.1 | length 13.2
  Bottom Layer w1: S2.1 24.6,6.2 32.44,6.2 P2.1
VIN: D1.2 S2.2 | length 8
  Top Layer w1: D1.2 18.574,2.92 23.82,2.92 S2.2 ; S2.2@25.325,4.675 S2.2@25.575,4.675
pads on no net: P1.6 P3.0 P3.9 P4.0 P4.9 S1. U3.2 U3.3 U3.4 U3.5 U3.8 U3.9 U3.10 U3.11 U3.27 U3.28 U3.31 U3.36 U3.37 U3.38 U3.41 U3.42 U3.43 U3.44 U5.5 U5.6 U5.7 U5.8 U5.9 U5.10 U5.11 U5.14 U5.15 U5.16 U5.17 U5.18 U5.19 U5.20 U5.23 U5.24 U5.25 U5.26 U5.27 U5.28 U5.29 U5.30 U5.32 U5.33

## Polygon pours and split planes (outlines as drawn)
GND on Top Layer "GND_L01_P002" (solid, remove dead copper, pour order 2): 0,0 0,81 43,81 43,0
3.3V on Top Layer "3.3V_L01_P000" (solid, remove dead copper, pour order 0): 17.5,37 17.5,17.6 1.234,17.6 1.234,37
no net on Top Overlay "Top Overlay-No Net" (solid, pour order 5): 1.7,62.35 0.9,63.05 0.9,61.65
GND on Bottom Layer "GND_L02_P004" (solid, remove dead copper, pour order 4): 0,-12 0,81 43,81 43,-12

## Other copper
Top Layer:
  pour cut-out: 40.5,54 41.75,54 41.75,52.75 40.5,52.75
  pour cut-out: 28,54 29.25,54 29.25,52.75 28,52.75
  pour cut-out: 21.75,24.5 21.75,19 25.25,19 25.25,24.5
  pour cut-out: 1.603,13.82 1.66,13.877 1.66,21.02 8.754,21.02 8.81,20.964 8.81,13.82
Multi-Layer:
  pour cut-out: 0,81 0,73.4 15.915,73.4 43,73.4 43,81

## Silkscreen, mask and mechanical layers (free items; w line width, h text height)
Top Overlay:
  drawing of 16 lines, arcs and shapes, not listed
  text "Bluetooth CAN" at 7.5,79 h2.5
  text "001-H-01 V1.00" at 7.5,76.75 h2.5
  text ".print_Date" at 7.5,74.5 h2.5
  text "PROGRAM" at 0.4,59.185 h1 r270
  text "GND" at 17.5,46.5 h1
  text "RX" at 20.8,46.5 h1
  text "TX" at 23.15,46.5 h1
Mechanical 3:
  the board outline again, w0.2